# Altium PCB 键盘.PcbDoc (part 9 of 10) (continued)
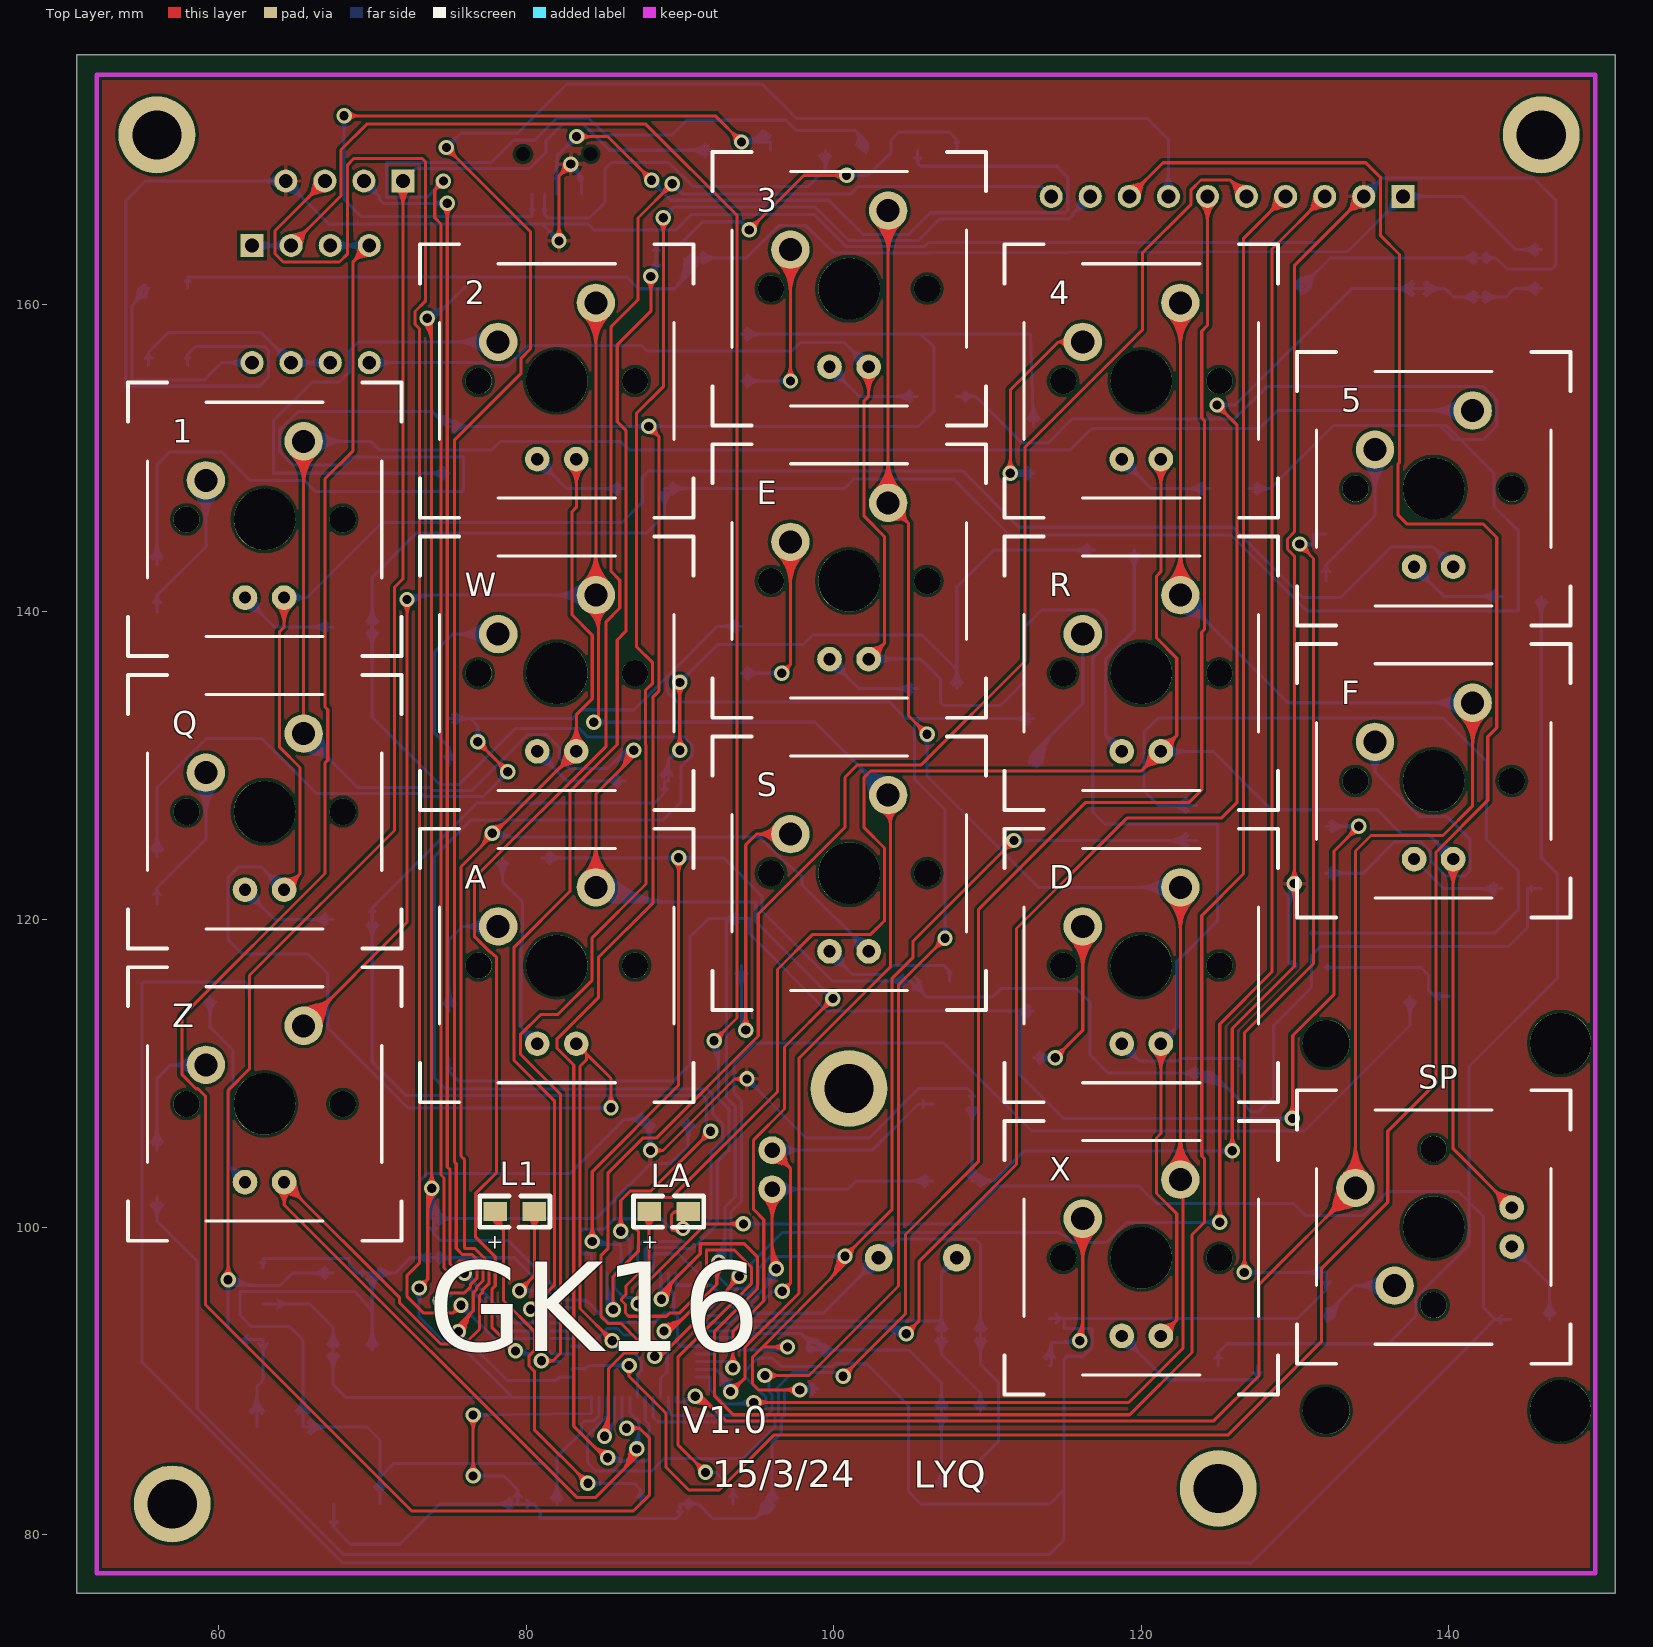
[diagram p0: Top Layer view]
## Nets (pads, with @x,y where several pads share a name; then routed paths per layer and width w, separated by ;. In a path a pad name is that pad's centre, name@x,y a point inside that pad or via, vN(x,y) a via of type N, cw(c..) or ccw(c..) an arc to the next point about the centre after c; other vN are vias at no path point) (continued)
PB10: P2.5 U1.21 | length 153.5
  Top Layer w0.2: P2.5@126.84,167 125.768,168.072 ; v1@84.817,86.683 ccw(c83.483,88.016) 85.369,88.016 ; v1@84.817,86.683 ccw(c83.483,88.016) 85.369,88.016 ; v1@84.817,86.683 ccw(c83.483,88.016) 85.369,88.016 ; v1@84.958,86.541 ccw(c83.966,87.533) 85.369,87.533 ; v1@84.958,86.541 ccw(c83.966,87.533) 85.369,87.533 ; v1@84.958,86.541 ccw(c83.966,87.533) 85.369,87.533 ; v1@84.996,86.786 ccw(c84.917,87.082) 85.182,86.929 ; v1@84.996,86.786 ccw(c84.917,87.082) 85.182,86.929 ; v1@84.996,86.786 ccw(c84.917,87.082) 85.182,86.929 ; v1(85.1,86.4) ccw(c84.449,87.051) 85.369,87.051 ; v1(85.1,86.4) ccw(c84.449,87.051) 85.369,87.051 ; v1(85.1,86.4) ccw(c84.449,87.051) 85.369,87.051 ; v1(85.1,86.4) 85.369,86.669 85.369,90.801 86.369,91.8 87.203,91.8 87.249,91.846 87.249,92.659 86.182,93.726 85.344,93.726 84.862,94.208 84.862,98.139 85.338,98.615 85.338,103.537 87.579,105.778 88.455,105.778 95.098,112.42 95.098,120.35 100.736,125.989 100.736,129.235 101.549,130.048 105.689,130.048 112.439,136.798 112.439,150.691 120.066,158.319 120.066,163.322 123.241,166.497 123.241,167.437 123.876,168.072 125.768,168.072 ; 85.266,87.074 ccw(c85.501,86.938) v1@85.339,86.721 ; 85.266,87.074 ccw(c85.501,86.938) v1@85.339,86.721 ; 85.266,87.074 ccw(c85.501,86.938) v1@85.339,86.721 ; 125.768,168.072 cw(c124.749,167.052) P2.5@126.19,167.016 ; 125.768,168.072 ccw(c126.788,169.091) P2.5@126.824,167.65 ; 125.768,168.072 cw(c124.749,167.052) P2.5@126.19,167.016 ; 125.768,168.072 ccw(c126.788,169.091) P2.5@126.824,167.65 ; 125.768,168.072 cw(c124.749,167.052) P2.5@126.19,167.016 ; 125.768,168.072 ccw(c126.788,169.091) P2.5@126.824,167.65 ; 126.042,167.63 ccw(c127.071,167.879) P2.5@126.802,166.855 ; 126.042,167.63 ccw(c127.071,167.879) P2.5@126.802,166.855 ; 126.042,167.63 ccw(c127.071,167.879) P2.5@126.802,166.855 ; 126.098,167.742 cw(c125.392,167.036) P2.5@126.39,167.011 ; 126.098,167.742 ccw(c126.804,168.448) P2.5@126.829,167.45 ; 126.098,167.742 cw(c125.392,167.036) P2.5@126.39,167.011 ; 126.098,167.742 ccw(c126.804,168.448) P2.5@126.829,167.45 ; 126.098,167.742 cw(c125.392,167.036) P2.5@126.39,167.011 ; 126.098,167.742 ccw(c126.804,168.448) P2.5@126.829,167.45 ; 126.121,167.305 ccw(c126.974,167.511) P2.5@126.751,166.662 ; 126.121,167.305 ccw(c126.974,167.511) P2.5@126.751,166.662 ; 126.121,167.305 ccw(c126.974,167.511) P2.5@126.751,166.662 ; 126.21,167.798 cw(c125.961,166.769) P2.5@126.985,167.038 ; 126.21,167.798 cw(c125.961,166.769) P2.5@126.985,167.038 ; 126.21,167.798 cw(c125.961,166.769) P2.5@126.985,167.038 ; 126.535,167.719 cw(c126.329,166.866) P2.5@127.179,167.089 ; 126.535,167.719 cw(c126.329,166.866) P2.5@127.179,167.089 ; 126.535,167.719 cw(c126.329,166.866) P2.5@127.179,167.089
  Bottom Layer w0.2: v1@84.967,86.538 85.75,87.321 ; U1.21@85.75,88.95 85.75,87.321 ; v1@85.1,86.8 ccw(c85.1,87.111) 85.32,86.891 ; v1@85.1,86.8 ccw(c85.1,87.111) 85.32,86.891 ; v1@85.1,86.8 ccw(c85.1,87.111) 85.32,86.891 ; v1@85.231,86.249 ccw(c84.682,86.88) 85.516,86.822 ; v1@85.231,86.249 ccw(c84.682,86.88) 85.516,86.822 ; v1@85.231,86.249 ccw(c84.682,86.88) 85.516,86.822 ; v1@85.296,86.438 cw(c85.97,86.57) 85.484,87.055 ; v1@85.296,86.438 cw(c85.97,86.57) 85.484,87.055 ; v1@85.296,86.438 cw(c85.97,86.57) 85.484,87.055 ; v1@85.492,86.477 cw(c86.414,86.657) 85.75,87.321 ; v1@85.492,86.477 cw(c86.414,86.657) 85.75,87.321 ; v1@85.492,86.477 cw(c86.414,86.657) 85.75,87.321
PB11: P2.6 U1.22 | length 138.3
  Top Layer w0.2: P2.6@124.3,167 124.3,158.615 123.927,158.242 123.927,152.603 124.104,152.425 124.104,138.862 123.927,138.684 123.927,128.422 123.114,127.61 116.383,127.61 109.423,120.65 109.423,104.267 104.673,99.517 104.673,94.361 v1(100.609,90.297) ; v1(100.609,90.297) cw(c101.294,90.157) 101.113,90.832 ; v1(100.609,90.297) ccw(c100.469,90.982) 101.144,90.801 ; v1(100.609,90.297) cw(c101.294,90.157) 101.113,90.832 ; v1(100.609,90.297) ccw(c100.469,90.982) 101.144,90.801 ; v1(100.609,90.297) cw(c101.294,90.157) 101.113,90.832 ; v1(100.609,90.297) ccw(c100.469,90.982) 101.144,90.801 ; v1@100.609,90.697 ccw(c100.609,91.663) 101.292,90.98 ; v1@100.609,90.697 ccw(c100.609,91.663) 101.292,90.98 ; v1@100.609,90.697 ccw(c100.609,91.663) 101.292,90.98 ; v1@101.009,90.297 cw(c101.975,90.297) 101.292,90.98 ; v1@101.009,90.297 cw(c101.975,90.297) 101.292,90.98 ; v1@101.009,90.297 cw(c101.975,90.297) 101.292,90.98 ; P2.6@123.84,166.54 cw(c122.731,165.431) 124.3,165.431 ; P2.6@123.84,166.54 cw(c122.731,165.431) 124.3,165.431 ; P2.6@123.84,166.54 cw(c122.731,165.431) 124.3,165.431 ; P2.6@123.982,166.682 cw(c123.214,165.914) 124.3,165.914 ; P2.6@123.982,166.682 cw(c123.214,165.914) 124.3,165.914 ; P2.6@123.982,166.682 cw(c123.214,165.914) 124.3,165.914 ; 124.3,165.431 cw(c125.869,165.431) P2.6@124.76,166.54 ; 124.3,165.431 cw(c125.869,165.431) P2.6@124.76,166.54 ; 124.3,165.431 cw(c125.869,165.431) P2.6@124.76,166.54 ; 124.3,165.914 cw(c125.386,165.914) P2.6@124.618,166.682 ; 124.3,165.914 cw(c125.386,165.914) P2.6@124.618,166.682 ; 124.3,165.914 cw(c125.386,165.914) P2.6@124.618,166.682
  Bottom Layer w0.2: U1.22@85.25,88.95 85.25,87.686 84,86.436 84,84.669 84.531,84.138 88.163,84.138 88.976,84.95 94.145,84.95 96.19,86.995 96.19,87.722 96.4,87.932 96.4,89.258 96.22,89.438 97.32,90.538 100.368,90.538 v1(100.609,90.297)
PB12: P2.7 U1.25 | length 195.6
  Top Layer w0.2: v1@75.776,93.559 ccw(c75.883,93.778) 76.045,93.596 ccw(c76.208,93.414) v1@75.977,93.333 ; v1@74.822,169.776 cw(c74.822,168.811) 75.505,169.493 ; v1@74.822,169.776 cw(c74.822,168.811) 75.505,169.493 ; v1@74.822,169.776 cw(c74.822,168.811) 75.505,169.493 ; v1(74.822,170.176) cw(c74.682,169.491) 75.357,169.672 ; v1@74.822,170.176 ccw(c75.507,170.316) 75.326,169.641 ; v1(74.822,170.176) cw(c74.682,169.491) 75.357,169.672 ; v1@74.822,170.176 ccw(c75.507,170.316) 75.326,169.641 ; v1(74.822,170.176) cw(c74.682,169.491) 75.357,169.672 ; v1@74.822,170.176 ccw(c75.507,170.316) 75.326,169.641 ; v1(74.822,170.176) 80.289,164.709 80.289,157.088 79.68,156.478 79.68,155.499 75.362,151.181 75.362,104.216 75.463,104.114 75.463,98.61 75.873,98.2 76.497,98.2 77.2,97.497 77.2,96.503 76.776,96.079 76.776,95.927 76.568,95.72 76.568,94.551 75.6,93.583 v1(75.6,93.2) ; v1@75.222,170.176 ccw(c76.188,170.176) 75.505,169.493 ; v1@75.222,170.176 ccw(c76.188,170.176) 75.505,169.493 ; v1@75.222,170.176 ccw(c76.188,170.176) 75.505,169.493 ; v1@75.535,93.389 ccw(c75.31,94.043) 75.978,93.864 ; v1@75.535,93.389 ccw(c75.31,94.043) 75.978,93.864 ; v1@75.535,93.389 ccw(c75.31,94.043) 75.978,93.864 ; v1(75.6,93.2) ccw(c75.084,94.229) 76.196,93.931 ; v1(75.6,93.2) ccw(c75.084,94.229) 76.196,93.931 ; v1(75.6,93.2) cw(c76.525,93.2) 75.871,93.854 ; v1(75.6,93.2) ccw(c75.084,94.229) 76.196,93.931 ; v1(75.6,93.2) cw(c76.525,93.2) 75.871,93.854 ; v1(75.6,93.2) cw(c76.525,93.2) 75.871,93.854 ; v1@75.69,93.021 ccw(c75.351,93.696) 76.081,93.501 ; v1@75.69,93.021 ccw(c75.351,93.696) 76.081,93.501 ; v1@75.69,93.021 ccw(c75.351,93.696) 76.081,93.501 ; v1@75.8,93.2 cw(c77.208,93.2) 76.212,94.196 ; v1@75.8,93.2 cw(c77.208,93.2) 76.212,94.196 ; v1@75.8,93.2 cw(c77.208,93.2) 76.212,94.196 ; 75.916,93.632 ccw(c76.212,93.553) v1@75.946,93.4 ; 75.916,93.632 ccw(c76.212,93.553) v1@75.946,93.4 ; 75.916,93.632 ccw(c76.212,93.553) v1@75.946,93.4 ; v1@76,93.2 cw(c77.891,93.2) 76.554,94.537 ; v1@76,93.2 cw(c77.891,93.2) 76.554,94.537 ; v1@76,93.2 cw(c77.891,93.2) 76.554,94.537
  Bottom Layer w0.2: v1@75.6,93.583 v1(75.6,93.2) 78.782,90.018 81.924,90.018 82.156,90.25 U1.25@82.95,90.25 ; P2.7@121.76,167 121.76,170.688 120.388,172.06 97.591,172.06 95.35,174.3 82.632,174.3 79.452,171.12 75.766,171.12 v1(74.822,170.176) ; v1@74.822,170.176 cw(c75.507,170.036) 75.326,170.711 ; v1(74.822,170.176) ccw(c74.682,170.861) 75.357,170.68 ; v1@74.822,170.176 cw(c75.507,170.036) 75.326,170.711 ; v1(74.822,170.176) ccw(c74.682,170.861) 75.357,170.68 ; v1@74.822,170.176 cw(c75.507,170.036) 75.326,170.711 ; v1(74.822,170.176) ccw(c74.682,170.861) 75.357,170.68 ; v1@74.822,170.576 ccw(c74.822,171.542) 75.505,170.859 ; v1@74.822,170.576 ccw(c74.822,171.542) 75.505,170.859 ; v1@74.822,170.576 ccw(c74.822,171.542) 75.505,170.859 ; v1@75.222,170.176 cw(c76.188,170.176) 75.505,170.859 ; v1@75.222,170.176 cw(c76.188,170.176) 75.505,170.859 ; v1@75.222,170.176 cw(c76.188,170.176) 75.505,170.859 ; 82.04,90.134 cw(c82.2,89.974) U1.25@82.2,90.2 ; 82.04,90.134 cw(c82.2,89.974) U1.25@82.2,90.2 ; 82.04,90.134 cw(c82.2,89.974) U1.25@82.2,90.2 ; P2.7@121.3,167.46 ccw(c120.191,168.569) 121.76,168.569 ; P2.7@121.3,167.46 ccw(c120.191,168.569) 121.76,168.569 ; P2.7@121.3,167.46 ccw(c120.191,168.569) 121.76,168.569 ; P2.7@121.442,167.318 ccw(c120.674,168.086) 121.76,168.086 ; P2.7@121.442,167.318 ccw(c120.674,168.086) 121.76,168.086 ; P2.7@121.442,167.318 ccw(c120.674,168.086) 121.76,168.086 ; 121.76,168.086 ccw(c122.846,168.086) P2.7@122.078,167.318 ; 121.76,168.086 ccw(c122.846,168.086) P2.7@122.078,167.318 ; 121.76,168.086 ccw(c122.846,168.086) P2.7@122.078,167.318 ; 121.76,168.569 ccw(c123.329,168.569) P2.7@122.22,167.46 ; 121.76,168.569 ccw(c123.329,168.569) P2.7@122.22,167.46 ; 121.76,168.569 ccw(c123.329,168.569) P2.7@122.22,167.46
PB13: P2.8 U1.26 | length 201.8
  Top Layer w0.2: v1(86.7,91) 86.7,90.287 ; P2.8@119.22,167 121.409,169.189 134.595,169.189 135.534,168.25 135.534,164.465 136.779,163.22 136.779,149.684 136.677,149.583 136.677,146.304 137.287,145.694 142.24,145.694 143.104,144.831 143.104,132.461 142.519,131.877 142.519,127.737 139.167,124.384 139.167,109.38 136.017,106.23 136.017,101.6 131.699,97.282 131.699,92.532 125.654,86.487 96.139,86.487 92.558,82.906 90.576,82.906 89.103,84.379 89.103,87.884 86.7,90.287 ; v1@86.492,90.659 cw(c86.265,90.287) 86.7,90.287 ; v1@86.492,90.659 cw(c86.265,90.287) 86.7,90.287 ; v1@86.492,90.659 cw(c86.265,90.287) 86.7,90.287 ; 86.7,90.287 cw(c87.135,90.287) v1@86.908,90.659 ; 86.7,90.287 cw(c87.135,90.287) v1@86.908,90.659 ; 86.7,90.287 cw(c87.135,90.287) v1@86.908,90.659 ; P2.8@118.877,167.07 cw(c119.713,166.899) 119.492,167.723 ; P2.8@118.877,167.07 cw(c119.713,166.899) 119.492,167.723 ; P2.8@118.877,167.07 cw(c119.713,166.899) 119.492,167.723 ; P2.8@119.073,167.03 cw(c120.067,166.827) 119.804,167.807 ; P2.8@119.073,167.03 cw(c120.067,166.827) 119.804,167.807 ; P2.8@119.073,167.03 cw(c120.067,166.827) 119.804,167.807 ; P2.8@119.219,167.05 ccw(c119.212,167.664) 119.805,167.505 ; P2.8@119.219,167.05 ccw(c119.212,167.664) 119.805,167.505 ; P2.8@119.219,167.05 ccw(c119.212,167.664) 119.805,167.505 ; P2.8@119.22,167.45 ccw(c119.22,168.536) 119.988,167.768 ; P2.8@119.22,167.45 ccw(c119.22,168.536) 119.988,167.768 ; P2.8@119.22,167.45 ccw(c119.22,168.536) 119.988,167.768 ; P2.8@119.22,167.65 ccw(c119.22,169.219) 120.33,168.11 ; P2.8@119.22,167.65 ccw(c119.22,169.219) 120.33,168.11 ; P2.8@119.22,167.65 ccw(c119.22,169.219) 120.33,168.11 ; P2.8@119.25,166.853 ccw(c119.047,167.847) 120.027,167.584 ; P2.8@119.25,166.853 ccw(c119.047,167.847) 120.027,167.584 ; P2.8@119.25,166.853 ccw(c119.047,167.847) 120.027,167.584 ; P2.8@119.27,166.999 cw(c119.884,166.992) 119.725,167.585 ; P2.8@119.27,166.999 cw(c119.884,166.992) 119.725,167.585 ; P2.8@119.27,166.999 cw(c119.884,166.992) 119.725,167.585 ; P2.8@119.29,166.657 ccw(c119.119,167.493) 119.943,167.272 ; P2.8@119.29,166.657 ccw(c119.119,167.493) 119.943,167.272 ; P2.8@119.29,166.657 ccw(c119.119,167.493) 119.943,167.272 ; P2.8@119.67,167 cw(c120.756,167) 119.988,167.768 ; P2.8@119.67,167 cw(c120.756,167) 119.988,167.768 ; P2.8@119.67,167 cw(c120.756,167) 119.988,167.768 ; P2.8@119.87,167 cw(c121.439,167) 120.33,168.11 ; P2.8@119.87,167 cw(c121.439,167) 120.33,168.11 ; P2.8@119.87,167 cw(c121.439,167) 120.33,168.11
  Bottom Layer w0.2: U1.26@82.95,90.75 83,90.8 83.886,90.8 ; v1(86.7,91) 84.086,91 83.886,90.8 ; U1.26@83.7,90.8 ccw(c83.7,91.25) 84.018,90.932 ; U1.26@83.7,90.8 ccw(c83.7,91.25) 84.018,90.932 ; U1.26@83.7,90.8 ccw(c83.7,91.25) 84.018,90.932 ; U1.26@83.73,90.79 ccw(c83.803,90.884) 83.886,90.8 ; U1.26@83.73,90.79 ccw(c83.803,90.884) 83.886,90.8 ; U1.26@83.73,90.79 ccw(c83.803,90.884) 83.886,90.8 ; U1.26@83.742,90.722 cw(c83.886,90.626) 83.886,90.8 ; U1.26@83.742,90.722 cw(c83.886,90.626) 83.886,90.8 ; U1.26@83.742,90.722 cw(c83.886,90.626) 83.886,90.8 ; 85.734,91 cw(c85.734,90.034) v1@86.417,90.717 ; 85.734,91 ccw(c85.734,91.966) v1@86.417,91.283 ; 85.734,91 cw(c85.734,90.034) v1@86.417,90.717 ; 85.734,91 ccw(c85.734,91.966) v1@86.417,91.283 ; 85.734,91 cw(c85.734,90.034) v1@86.417,90.717 ; 85.734,91 ccw(c85.734,91.966) v1@86.417,91.283
PB14: P2.9 U1.27 | length 154.8
  Top Layer w0.2: v1(81,91.3) 81.75,91.3 ; v1(88.925,165.608) 88.925,154.635 87.173,152.883 87.173,137.744 88.23,136.687 88.23,135.347 87.757,134.874 87.757,131.374 87.8,131.331 87.8,122.296 84.3,118.796 84.3,116.047 82.07,113.817 80.95,113.817 79.63,112.498 79.63,111.251 82.245,108.636 82.245,91.796 81.75,91.3 ; v1@81.332,91.077 cw(c81.75,90.798) 81.75,91.3 ; v1@81.332,91.077 cw(c81.75,90.798) 81.75,91.3 ; v1@81.332,91.077 cw(c81.75,90.798) 81.75,91.3 ; v1@81.332,91.523 ccw(c81.75,91.802) 81.75,91.3 ; v1@81.332,91.523 ccw(c81.75,91.802) 81.75,91.3 ; v1@81.332,91.523 ccw(c81.75,91.802) 81.75,91.3 ; v1@88.643,165.325 cw(c87.96,164.642) 88.925,164.642 ; v1@88.643,165.325 cw(c87.96,164.642) 88.925,164.642 ; v1@88.643,165.325 cw(c87.96,164.642) 88.925,164.642 ; 88.925,164.642 cw(c89.891,164.642) v1@89.208,165.325 ; 88.925,164.642 cw(c89.891,164.642) v1@89.208,165.325 ; 88.925,164.642 cw(c89.891,164.642) v1@89.208,165.325
  Bottom Layer w0.2: v1@80.95,91.25 U1.27@82.2,91.25 ; P2.9@116.68,167 115.566,165.886 115.566,165.811 115.293,165.538 106.898,165.538 105.49,164.13 100.977,164.13 98.807,166.3 89.617,166.3 v1(88.925,165.608) ; v1(88.925,165.608) cw(c89.61,165.468) 89.429,166.143 ; v1(88.925,165.608) ccw(c88.785,166.293) 89.46,166.112 ; v1(88.925,165.608) cw(c89.61,165.468) 89.429,166.143 ; v1(88.925,165.608) ccw(c88.785,166.293) 89.46,166.112 ; v1(88.925,165.608) cw(c89.61,165.468) 89.429,166.143 ; v1(88.925,165.608) ccw(c88.785,166.293) 89.46,166.112 ; v1@88.925,166.008 ccw(c88.925,166.974) 89.608,166.291 ; v1@88.925,166.008 ccw(c88.925,166.974) 89.608,166.291 ; v1@88.925,166.008 ccw(c88.925,166.974) 89.608,166.291 ; v1@89.325,165.608 cw(c90.291,165.608) 89.608,166.291 ; v1@89.325,165.608 cw(c90.291,165.608) 89.608,166.291 ; v1@89.325,165.608 cw(c90.291,165.608) 89.608,166.291 ; 115.57,165.89 cw(c116.68,164.781) P2.9@116.68,166.35 ; 115.57,165.89 ccw(c114.461,167) P2.9@116.03,167 ; 115.57,165.89 cw(c116.68,164.781) P2.9@116.68,166.35 ; 115.57,165.89 ccw(c114.461,167) P2.9@116.03,167 ; 115.57,165.89 cw(c116.68,164.781) P2.9@116.68,166.35 ; 115.57,165.89 ccw(c114.461,167) P2.9@116.03,167 ; 115.873,166.416 cw(c116.853,166.153) P2.9@116.65,167.147 ; 115.873,166.416 cw(c116.853,166.153) P2.9@116.65,167.147 ; 115.873,166.416 cw(c116.853,166.153) P2.9@116.65,167.147 ; 115.912,166.232 cw(c116.68,165.464) P2.9@116.68,166.55 ; 115.912,166.232 ccw(c115.144,167) P2.9@116.23,167 ; 115.912,166.232 cw(c116.68,165.464) P2.9@116.68,166.55 ; 115.912,166.232 ccw(c115.144,167) P2.9@116.23,167 ; 115.912,166.232 cw(c116.68,165.464) P2.9@116.68,166.55 ; 115.912,166.232 ccw(c115.144,167) P2.9@116.23,167 ; 115.957,166.728 cw(c116.781,166.507) P2.9@116.61,167.343 ; 115.957,166.728 cw(c116.781,166.507) P2.9@116.61,167.343 ; 115.957,166.728 cw(c116.781,166.507) P2.9@116.61,167.343 ; 116.096,166.193 ccw(c115.833,167.173) P2.9@116.827,166.97 ; 116.096,166.193 ccw(c115.833,167.173) P2.9@116.827,166.97 ; 116.096,166.193 ccw(c115.833,167.173) P2.9@116.827,166.97 ; 116.408,166.277 ccw(c116.187,167.101) P2.9@117.023,166.93 ; 116.408,166.277 ccw(c116.187,167.101) P2.9@117.023,166.93 ; 116.408,166.277 ccw(c116.187,167.101) P2.9@117.023,166.93
PB15: P2.10 U1.28 | length 141
  Top Layer w0.2: 78.635,92.631 cw(c77.952,91.948) v1@78.918,91.948 ; 78.635,92.631 ccw(c79.318,93.314) v1@79.318,92.348 ; 78.635,92.631 cw(c77.952,91.948) v1@78.918,91.948 ; 78.635,92.631 ccw(c79.318,93.314) v1@79.318,92.348 ; 78.635,92.631 cw(c77.952,91.948) v1@78.918,91.948 ; 78.635,92.631 ccw(c79.318,93.314) v1@79.318,92.348 ; 78.783,92.452 ccw(c79.458,92.633) v1(79.318,91.948) ; 78.783,92.452 ccw(c79.458,92.633) v1(79.318,91.948) ; 78.783,92.452 ccw(c79.458,92.633) v1(79.318,91.948) ; 78.814,92.483 cw(c78.633,91.808) v1(79.318,91.948) ; 78.814,92.483 cw(c78.633,91.808) v1(79.318,91.948) ; 78.814,92.483 cw(c78.633,91.808) v1(79.318,91.948) ; v1(79.318,91.948) 77.775,93.491 77.775,95.946 78,96.172 78,98.073 76.708,99.365 76.708,102.159 78.08,103.53 78.08,117.533 77.548,117.99 76.64,118.898 76.64,122.69 85.204,131.254 85.204,139.357 86.09,140.243 86.09,142.053 85.522,142.621 85.522,158.521 87.274,160.274 87.274,165.593 v1(89.501,167.82) ; 88.818,167.137 cw(c89.501,166.454) v1@89.501,167.42 ; 88.818,167.137 ccw(c88.136,167.82) v1@89.101,167.82 ; 88.818,167.137 cw(c89.501,166.454) v1@89.501,167.42 ; 88.818,167.137 ccw(c88.136,167.82) v1@89.101,167.82 ; 88.818,167.137 cw(c89.501,166.454) v1@89.501,167.42 ; 88.818,167.137 ccw(c88.136,167.82) v1@89.101,167.82 ; 88.966,167.316 cw(c89.641,167.135) v1(89.501,167.82) ; 88.966,167.316 cw(c89.641,167.135) v1(89.501,167.82) ; 88.966,167.316 cw(c89.641,167.135) v1(89.501,167.82) ; 88.997,167.285 ccw(c88.816,167.96) v1(89.501,167.82) ; 88.997,167.285 ccw(c88.816,167.96) v1(89.501,167.82) ; 88.997,167.285 ccw(c88.816,167.96) v1(89.501,167.82)
  Bottom Layer w0.2: v1(79.318,91.948) 79.516,91.75 80.319,91.75 ; U1.28@82.95,91.75 81.681,91.75 81.331,92.1 80.669,92.1 80.319,91.75 ; v1(89.501,167.82) 90.154,167.167 ; P2.10@114.14,167 113.49,167.65 101.59,167.65 101.107,167.167 90.154,167.167 ; v1@79.494,92.043 ccw(c79.984,92.306) 79.984,91.75 ; v1@79.494,92.043 ccw(c79.984,92.306) 79.984,91.75 ; v1@79.494,92.043 ccw(c79.984,92.306) 79.984,91.75 ; v1@79.601,91.665 cw(c79.806,91.46) 79.806,91.75 ; v1@79.601,91.665 cw(c79.806,91.46) 79.806,91.75 ; v1@79.601,91.665 cw(c79.806,91.46) 79.806,91.75 ; v1@79.67,92.137 ccw(c80.319,92.486) 80.319,91.75 ; v1@79.67,92.137 ccw(c80.319,92.486) 80.319,91.75 ; v1@79.67,92.137 ccw(c80.319,92.486) 80.319,91.75 ; v1@89.514,167.42 cw(c89.542,166.555) 90.154,167.167 ; v1@89.514,167.42 cw(c89.542,166.555) 90.154,167.167 ; v1@89.514,167.42 cw(c89.542,166.555) 90.154,167.167 ; v1@89.901,167.807 ccw(c90.766,167.779) 90.154,167.167 ; v1@89.901,167.807 ccw(c90.766,167.779) 90.154,167.167 ; v1@89.901,167.807 ccw(c90.766,167.779) 90.154,167.167
RX1: P1.2 U1.31 | length 130.6
  Top Layer w0.2: v1(74.422,95.199) 74.943,95.72 ; v1(74.879,166.55) 74.879,103.898 75.063,103.714 75.063,97.595 75.222,97.436 75.305,97.436 75.669,97.8 76.331,97.8 76.8,97.331 76.8,96.669 76.376,96.244 76.376,96.093 76.003,95.72 74.943,95.72 ; v1@74.273,95.333 cw(c74.895,94.773) 74.851,95.608 ; v1@74.273,95.333 cw(c74.895,94.773) 74.851,95.608 ; v1@74.273,95.333 cw(c74.895,94.773) 74.851,95.608 ; v1@74.505,95.59 ccw(c74.605,96.057) 74.943,95.72 ; v1@74.505,95.59 ccw(c74.605,96.057) 74.943,95.72 ; v1@74.505,95.59 ccw(c74.605,96.057) 74.943,95.72 ; v1@74.556,95.051 ccw(c73.996,95.672) 74.831,95.629 ; v1@74.556,95.051 ccw(c73.996,95.672) 74.831,95.629 ; v1@74.556,95.051 ccw(c73.996,95.672) 74.831,95.629 ; v1@74.596,166.267 cw(c73.914,165.584) 74.879,165.584 ; v1@74.596,166.267 cw(c73.914,165.584) 74.879,165.584 ; v1@74.596,166.267 cw(c73.914,165.584) 74.879,165.584 ; v1@74.813,95.283 cw(c75.28,95.382) 74.943,95.72 ; v1@74.813,95.283 cw(c75.28,95.382) 74.943,95.72 ; v1@74.813,95.283 cw(c75.28,95.382) 74.943,95.72 ; 74.879,165.584 cw(c75.845,165.584) v1@75.162,166.267 ; 74.879,165.584 cw(c75.845,165.584) v1@75.162,166.267 ; 74.879,165.584 cw(c75.845,165.584) v1@75.162,166.267
  Bottom Layer w0.2: P1.2@69.46,168 70.479,166.981 70.479,166.785 70.714,166.55 v1(74.879,166.55) ; v1(74.422,95.199) 74.752,95.53 75.095,95.53 75.285,95.72 76.003,95.72 76.193,95.91 76.435,95.91 79.096,93.25 U1.31@82.95,93.25 ; P1.2@69.133,167.876 ccw(c70.017,168.211) 69.829,167.285 ; P1.2@69.133,167.876 ccw(c70.017,168.211) 69.829,167.285 ; P1.2@69.133,167.876 ccw(c70.017,168.211) 69.829,167.285 ; P1.2@69.32,167.947 ccw(c70.417,168.364) 70.185,167.213 ; P1.2@69.32,167.947 ccw(c70.417,168.364) 70.185,167.213 ; P1.2@69.32,167.947 ccw(c70.417,168.364) 70.185,167.213 ; P1.2@69.488,167.551 cw(c69.543,166.673) 70.165,167.295 ; P1.2@69.488,167.551 cw(c69.543,166.673) 70.165,167.295 ; P1.2@69.488,167.551 cw(c69.543,166.673) 70.165,167.295 ; P1.2@69.501,167.351 cw(c69.58,166.083) 70.478,166.982 ; P1.2@69.501,167.351 cw(c69.58,166.083) 70.478,166.982 ; P1.2@69.501,167.351 cw(c69.58,166.083) 70.478,166.982 ; P1.2@69.513,168.14 cw(c69.096,167.043) 70.247,167.275 ; P1.2@69.513,168.14 cw(c69.096,167.043) 70.247,167.275 ; P1.2@69.513,168.14 cw(c69.096,167.043) 70.247,167.275 ; P1.2@69.584,168.327 cw(c69.249,167.443) 70.175,167.631 ; P1.2@69.584,168.327 cw(c69.249,167.443) 70.175,167.631 ; P1.2@69.584,168.327 cw(c69.249,167.443) 70.175,167.631 ; P1.2@69.909,167.972 ccw(c70.787,167.917) 70.165,167.295 ; P1.2@69.909,167.972 ccw(c70.787,167.917) 70.165,167.295 ; P1.2@69.909,167.972 ccw(c70.787,167.917) 70.165,167.295 ; P1.2@70.109,167.959 ccw(c71.377,167.88) 70.478,166.982 ; P1.2@70.109,167.959 ccw(c71.377,167.88) 70.478,166.982 ; P1.2@70.109,167.959 ccw(c71.377,167.88) 70.478,166.982 ; 73.914,166.55 cw(c73.914,165.584) v1@74.596,166.267 ; 73.914,166.55 ccw(c73.914,167.516) v1@74.596,166.833 ; 73.914,166.55 cw(c73.914,165.584) v1@74.596,166.267 ; 73.914,166.55 ccw(c73.914,167.516) v1@74.596,166.833 ; 73.914,166.55 cw(c73.914,165.584) v1@74.596,166.267 ; 73.914,166.55 ccw(c73.914,167.516) v1@74.596,166.833
TX1: P1.3 U1.30 | length 154.8
  Top Layer w0.2: P1.3@66.92,168 63.678,164.758 63.678,163.271 64.211,162.738 67.869,162.738 68.402,163.271 68.402,169.062 68.809,169.469 73.254,169.469 73.457,169.266 73.457,160.185 72.784,159.512 72.784,158.687 73.063,158.407 73.063,97.65 72.25,96.837 72.25,95.504 73.355,94.399 75.248,94.399 ; v1(75.768,94.92) 75.248,94.399 ; 65.81,166.89 cw(c66.92,165.781) P1.3@66.92,167.35 ; 65.81,166.89 ccw(c64.701,168) P1.3@66.27,168 ; 65.81,166.89 cw(c66.92,165.781) P1.3@66.92,167.35 ; 65.81,166.89 ccw(c64.701,168) P1.3@66.27,168 ; 65.81,166.89 cw(c66.92,165.781) P1.3@66.92,167.35 ; 65.81,166.89 ccw(c64.701,168) P1.3@66.27,168 ; 66.113,167.416 cw(c67.093,167.153) P1.3@66.89,168.147 ; 66.113,167.416 cw(c67.093,167.153) P1.3@66.89,168.147 ; 66.113,167.416 cw(c67.093,167.153) P1.3@66.89,168.147 ; 66.152,167.232 cw(c66.92,166.464) P1.3@66.92,167.55 ; 66.152,167.232 ccw(c65.384,168) P1.3@66.47,168 ; 66.152,167.232 cw(c66.92,166.464) P1.3@66.92,167.55 ; 66.152,167.232 ccw(c65.384,168) P1.3@66.47,168 ; 66.152,167.232 cw(c66.92,166.464) P1.3@66.92,167.55 ; 66.152,167.232 ccw(c65.384,168) P1.3@66.47,168 ; 66.197,167.728 cw(c67.021,167.507) P1.3@66.85,168.343 ; 66.197,167.728 cw(c67.021,167.507) P1.3@66.85,168.343 ; 66.197,167.728 cw(c67.021,167.507) P1.3@66.85,168.343 ; 66.335,167.495 cw(c66.928,167.336) P1.3@66.921,167.95 ; 66.335,167.495 cw(c66.928,167.336) P1.3@66.921,167.95 ; 66.335,167.495 cw(c66.928,167.336) P1.3@66.921,167.95 ; 66.336,167.193 ccw(c66.073,168.173) P1.3@67.067,167.97 ; 66.336,167.193 ccw(c66.073,168.173) P1.3@67.067,167.97 ; 66.336,167.193 ccw(c66.073,168.173) P1.3@67.067,167.97 ; 66.415,167.415 ccw(c66.256,168.008) P1.3@66.87,168.001 ; 66.415,167.415 ccw(c66.256,168.008) P1.3@66.87,168.001 ; 66.415,167.415 ccw(c66.256,168.008) P1.3@66.87,168.001 ; 66.648,167.277 ccw(c66.427,168.101) P1.3@67.263,167.93 ; 66.648,167.277 ccw(c66.427,168.101) P1.3@67.263,167.93 ; 66.648,167.277 ccw(c66.427,168.101) P1.3@67.263,167.93 ; 75.248,94.399 cw(c75.585,94.062) v1@75.685,94.529 ; 75.248,94.399 ccw(c74.91,94.737) v1@75.377,94.836 ; 75.248,94.399 cw(c75.585,94.062) v1@75.685,94.529 ; 75.248,94.399 ccw(c74.91,94.737) v1@75.377,94.836 ; 75.248,94.399 cw(c75.585,94.062) v1@75.685,94.529 ; 75.248,94.399 ccw(c74.91,94.737) v1@75.377,94.836 ; 75.339,94.511 ccw(c75.296,95.346) v1@75.917,94.786 ; 75.339,94.511 ccw(c75.296,95.346) v1@75.917,94.786 ; 75.339,94.511 ccw(c75.296,95.346) v1@75.917,94.786 ; 75.359,94.49 cw(c76.194,94.447) v1@75.634,95.068 ; 75.359,94.49 cw(c76.194,94.447) v1@75.634,95.068 ; 75.359,94.49 cw(c76.194,94.447) v1@75.634,95.068
  Bottom Layer w0.2: U1.30@82.95,92.75 77.938,92.75 v1(75.768,94.92) ; v1@75.768,94.52 cw(c75.768,93.554) 76.451,94.237 ; v1@75.768,94.52 cw(c75.768,93.554) 76.451,94.237 ; v1@75.768,94.52 cw(c75.768,93.554) 76.451,94.237 ; v1(75.768,94.92) cw(c75.628,94.235) 76.303,94.416 ; v1(75.768,94.92) ccw(c76.453,95.06) 76.272,94.385 ; v1(75.768,94.92) cw(c75.628,94.235) 76.303,94.416 ; v1(75.768,94.92) ccw(c76.453,95.06) 76.272,94.385 ; v1(75.768,94.92) cw(c75.628,94.235) 76.303,94.416 ; v1(75.768,94.92) ccw(c76.453,95.06) 76.272,94.385 ; v1@76.168,94.92 ccw(c77.134,94.92) 76.451,94.237 ; v1@76.168,94.92 ccw(c77.134,94.92) 76.451,94.237 ; v1@76.168,94.92 ccw(c77.134,94.92) 76.451,94.237